# KiCad board rabbit_mask.kicad_pcb (continued)
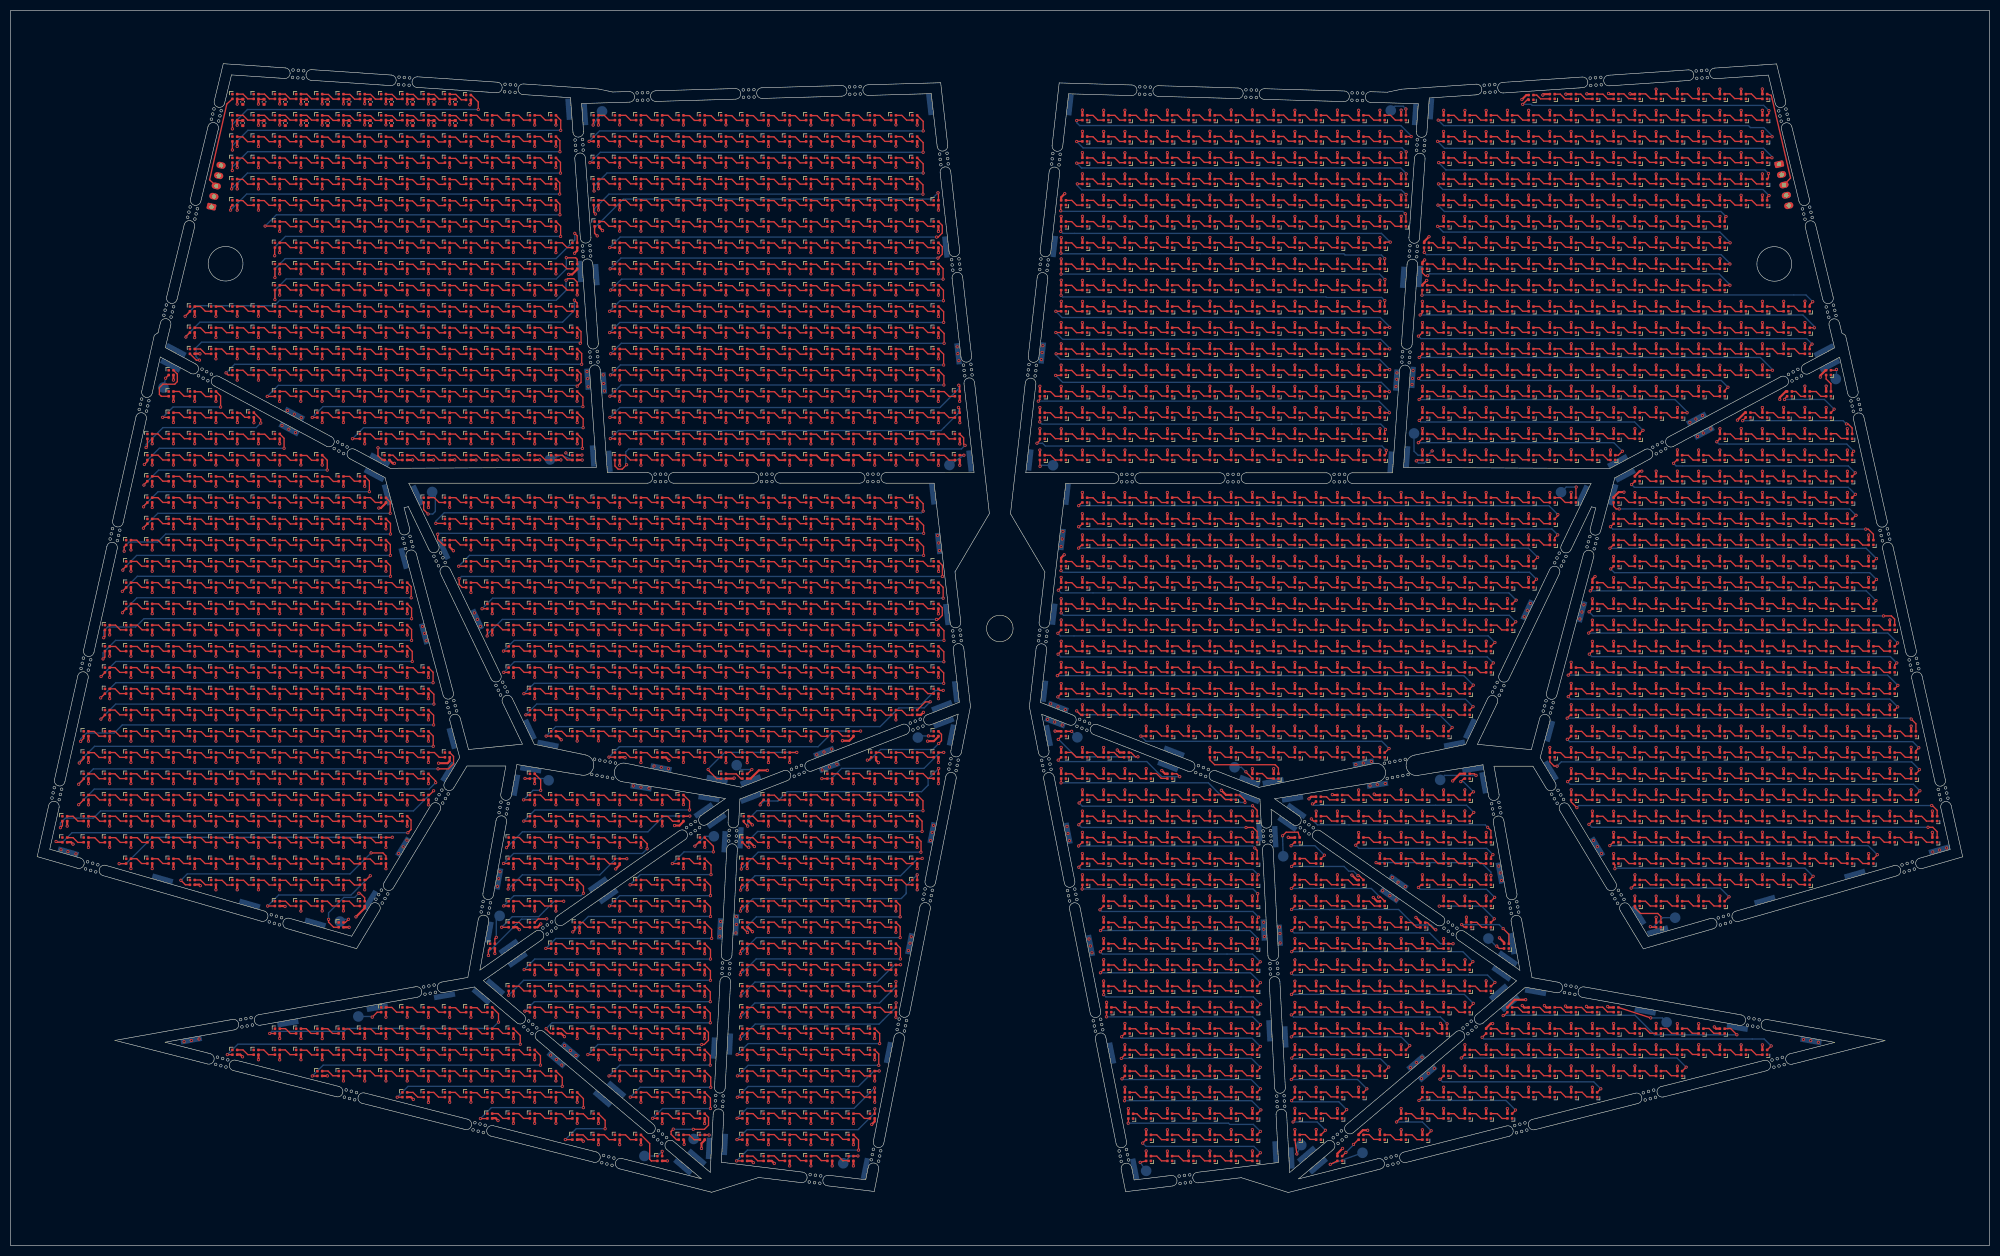
[diagram p0: board, top side]
## Placement (name value [footprint] x y rotation side) (continued)
D1483  SK6812-1515  [LED_SK6812_EC15_1.5x1.5mm]  154.2 16.36 0 top
D1484  SK6812-1515  [LED_SK6812_EC15_1.5x1.5mm]  158.2 16.36 0 top
D1485  SK6812-1515  [LED_SK6812_EC15_1.5x1.5mm]  286.2 216.19 180 top
D1486  SK6812-1515  [LED_SK6812_EC15_1.5x1.5mm]  290.2 216.36 180 top
D1487  SK6812-1515  [LED_SK6812_EC15_1.5x1.5mm]  294.2 216.36 180 top
D1488  SK6812-1515  [LED_SK6812_EC15_1.5x1.5mm]  298.2 216.36 180 top
D1489  SK6812-1515  [LED_SK6812_EC15_1.5x1.5mm]  302.2 216.36 180 top
D1490  SK6812-1515  [LED_SK6812_EC15_1.5x1.5mm]  306.2 216.36 180 top
D1491  SK6812-1515  [LED_SK6812_EC15_1.5x1.5mm]  310.2 216.36 180 top
D1492  SK6812-1515  [LED_SK6812_EC15_1.5x1.5mm]  314.2 216.36 180 top
D1493  SK6812-1515  [LED_SK6812_EC15_1.5x1.5mm]  318.2 216.36 180 top
D1494  SK6812-1515  [LED_SK6812_EC15_1.5x1.5mm]  322.2 216.36 180 top
D1495  SK6812-1515  [LED_SK6812_EC15_1.5x1.5mm]  326.2 216.36 180 top
D1496  SK6812-1515  [LED_SK6812_EC15_1.5x1.5mm]  330.2 216.36 180 top
D1497  SK6812-1515  [LED_SK6812_EC15_1.5x1.5mm]  202.2 212.36 180 top
D1498  SK6812-1515  [LED_SK6812_EC15_1.5x1.5mm]  206.2 212.36 180 top
D1499  SK6812-1515  [LED_SK6812_EC15_1.5x1.5mm]  210.2 212.36 180 top
D1500  SK6812-1515  [LED_SK6812_EC15_1.5x1.5mm]  214.2 212.36 180 top
D1501  SK6812-1515  [LED_SK6812_EC15_1.5x1.5mm]  218.2 212.36 180 top
D1502  SK6812-1515  [LED_SK6812_EC15_1.5x1.5mm]  222.2 212.36 180 top
D1503  SK6812-1515  [LED_SK6812_EC15_1.5x1.5mm]  226.2 212.36 180 top
D1504  SK6812-1515  [LED_SK6812_EC15_1.5x1.5mm]  230.2 212.36 180 top
D1505  SK6812-1515  [LED_SK6812_EC15_1.5x1.5mm]  234.2 212.36 180 top
D1506  SK6812-1515  [LED_SK6812_EC15_1.5x1.5mm]  238.2 212.36 180 top
D1507  SK6812-1515  [LED_SK6812_EC15_1.5x1.5mm]  242.2 212.36 180 top
D1508  SK6812-1515  [LED_SK6812_EC15_1.5x1.5mm]  246.2 212.36 180 top
D1509  SK6812-1515  [LED_SK6812_EC15_1.5x1.5mm]  250.2 212.36 180 top
D1510  SK6812-1515  [LED_SK6812_EC15_1.5x1.5mm]  254.2 212.36 180 top
D1511  SK6812-1515  [LED_SK6812_EC15_1.5x1.5mm]  258.2 212.36 180 top
D1512  SK6812-1515  [LED_SK6812_EC15_1.5x1.5mm]  262.2 212.36 180 top
D1513  SK6812-1515  [LED_SK6812_EC15_1.5x1.5mm]  270.2 212.36 180 top
D1514  SK6812-1515  [LED_SK6812_EC15_1.5x1.5mm]  274.2 212.36 180 top
D1515  SK6812-1515  [LED_SK6812_EC15_1.5x1.5mm]  278.2 212.36 180 top
D1516  SK6812-1515  [LED_SK6812_EC15_1.5x1.5mm]  282.2 212.36 180 top
D1517  SK6812-1515  [LED_SK6812_EC15_1.5x1.5mm]  286.2 212.36 180 top
D1518  SK6812-1515  [LED_SK6812_EC15_1.5x1.5mm]  290.2 212.36 180 top
D1519  SK6812-1515  [LED_SK6812_EC15_1.5x1.5mm]  294.2 212.36 180 top
D1520  SK6812-1515  [LED_SK6812_EC15_1.5x1.5mm]  298.2 212.36 180 top
D1521  SK6812-1515  [LED_SK6812_EC15_1.5x1.5mm]  302.2 212.36 180 top
D1522  SK6812-1515  [LED_SK6812_EC15_1.5x1.5mm]  306.2 212.36 180 top
D1523  SK6812-1515  [LED_SK6812_EC15_1.5x1.5mm]  310.2 212.36 180 top
D1524  SK6812-1515  [LED_SK6812_EC15_1.5x1.5mm]  314.2 212.36 180 top
D1525  SK6812-1515  [LED_SK6812_EC15_1.5x1.5mm]  318.2 212.36 180 top
D1526  SK6812-1515  [LED_SK6812_EC15_1.5x1.5mm]  322.2 212.36 180 top
D1527  SK6812-1515  [LED_SK6812_EC15_1.5x1.5mm]  326.2 212.36 180 top
D1528  SK6812-1515  [LED_SK6812_EC15_1.5x1.5mm]  330.2 212.36 180 top
D1529  SK6812-1515  [LED_SK6812_EC15_1.5x1.5mm]  202.2 208.36 180 top
D1530  SK6812-1515  [LED_SK6812_EC15_1.5x1.5mm]  206.2 208.36 180 top
D1531  SK6812-1515  [LED_SK6812_EC15_1.5x1.5mm]  210.2 208.36 180 top
D1532  SK6812-1515  [LED_SK6812_EC15_1.5x1.5mm]  214.2 208.36 180 top
D1533  SK6812-1515  [LED_SK6812_EC15_1.5x1.5mm]  218.2 208.36 180 top
D1534  SK6812-1515  [LED_SK6812_EC15_1.5x1.5mm]  222.2 208.36 180 top
D1535  SK6812-1515  [LED_SK6812_EC15_1.5x1.5mm]  226.2 208.36 180 top
D1536  SK6812-1515  [LED_SK6812_EC15_1.5x1.5mm]  230.2 208.36 180 top
D1537  SK6812-1515  [LED_SK6812_EC15_1.5x1.5mm]  234.2 208.36 180 top
D1538  SK6812-1515  [LED_SK6812_EC15_1.5x1.5mm]  238.2 208.36 180 top
D1539  SK6812-1515  [LED_SK6812_EC15_1.5x1.5mm]  242.2 208.36 180 top
D1540  SK6812-1515  [LED_SK6812_EC15_1.5x1.5mm]  246.2 208.36 180 top
D1541  SK6812-1515  [LED_SK6812_EC15_1.5x1.5mm]  250.2 208.36 180 top
D1542  SK6812-1515  [LED_SK6812_EC15_1.5x1.5mm]  254.2 208.36 180 top
D1543  SK6812-1515  [LED_SK6812_EC15_1.5x1.5mm]  258.2 208.36 180 top
D1544  SK6812-1515  [LED_SK6812_EC15_1.5x1.5mm]  262.2 208.36 180 top
D1545  SK6812-1515  [LED_SK6812_EC15_1.5x1.5mm]  270.2 208.36 180 top
D1546  SK6812-1515  [LED_SK6812_EC15_1.5x1.5mm]  274.2 208.36 180 top
D1547  SK6812-1515  [LED_SK6812_EC15_1.5x1.5mm]  278.2 208.36 180 top
D1548  SK6812-1515  [LED_SK6812_EC15_1.5x1.5mm]  282.2 208.36 180 top
D1549  SK6812-1515  [LED_SK6812_EC15_1.5x1.5mm]  286.2 208.36 180 top
D1550  SK6812-1515  [LED_SK6812_EC15_1.5x1.5mm]  290.2 208.36 180 top
D1551  SK6812-1515  [LED_SK6812_EC15_1.5x1.5mm]  294.2 208.36 180 top
D1552  SK6812-1515  [LED_SK6812_EC15_1.5x1.5mm]  298.2 208.36 180 top
D1553  SK6812-1515  [LED_SK6812_EC15_1.5x1.5mm]  302.2 208.36 180 top
D1554  SK6812-1515  [LED_SK6812_EC15_1.5x1.5mm]  306.2 208.36 180 top
D1555  SK6812-1515  [LED_SK6812_EC15_1.5x1.5mm]  310.2 208.36 180 top
D1556  SK6812-1515  [LED_SK6812_EC15_1.5x1.5mm]  314.2 208.36 180 top
D1557  SK6812-1515  [LED_SK6812_EC15_1.5x1.5mm]  318.2 208.36 180 top
D1558  SK6812-1515  [LED_SK6812_EC15_1.5x1.5mm]  322.2 208.36 180 top
D1559  SK6812-1515  [LED_SK6812_EC15_1.5x1.5mm]  326.2 208.36 180 top
D1560  SK6812-1515  [LED_SK6812_EC15_1.5x1.5mm]  330.2 208.36 180 top
D1561  SK6812-1515  [LED_SK6812_EC15_1.5x1.5mm]  202.2 204.36 180 top
D1562  SK6812-1515  [LED_SK6812_EC15_1.5x1.5mm]  206.2 204.36 180 top
D1563  SK6812-1515  [LED_SK6812_EC15_1.5x1.5mm]  210.2 204.36 180 top
D1564  SK6812-1515  [LED_SK6812_EC15_1.5x1.5mm]  214.2 204.36 180 top
D1565  SK6812-1515  [LED_SK6812_EC15_1.5x1.5mm]  218.2 204.36 180 top
D1566  SK6812-1515  [LED_SK6812_EC15_1.5x1.5mm]  222.2 204.36 180 top
D1567  SK6812-1515  [LED_SK6812_EC15_1.5x1.5mm]  226.2 204.36 180 top
D1568  SK6812-1515  [LED_SK6812_EC15_1.5x1.5mm]  230.2 204.36 180 top
D1569  SK6812-1515  [LED_SK6812_EC15_1.5x1.5mm]  234.2 204.36 180 top
D1570  SK6812-1515  [LED_SK6812_EC15_1.5x1.5mm]  238.2 204.36 180 top
D1571  SK6812-1515  [LED_SK6812_EC15_1.5x1.5mm]  242.2 204.36 180 top
D1572  SK6812-1515  [LED_SK6812_EC15_1.5x1.5mm]  246.2 204.36 180 top
D1573  SK6812-1515  [LED_SK6812_EC15_1.5x1.5mm]  250.2 204.36 180 top
D1574  SK6812-1515  [LED_SK6812_EC15_1.5x1.5mm]  254.2 204.36 180 top
D1575  SK6812-1515  [LED_SK6812_EC15_1.5x1.5mm]  258.2 204.36 180 top
D1576  SK6812-1515  [LED_SK6812_EC15_1.5x1.5mm]  262.2 204.36 180 top
D1577  SK6812-1515  [LED_SK6812_EC15_1.5x1.5mm]  270.2 204.36 180 top
D1578  SK6812-1515  [LED_SK6812_EC15_1.5x1.5mm]  274.2 204.36 180 top
D1579  SK6812-1515  [LED_SK6812_EC15_1.5x1.5mm]  278.2 204.36 180 top
D1580  SK6812-1515  [LED_SK6812_EC15_1.5x1.5mm]  282.2 204.36 180 top
D1581  SK6812-1515  [LED_SK6812_EC15_1.5x1.5mm]  286.2 204.36 180 top
D1582  SK6812-1515  [LED_SK6812_EC15_1.5x1.5mm]  290.2 204.36 180 top
D1583  SK6812-1515  [LED_SK6812_EC15_1.5x1.5mm]  294.2 204.36 180 top
D1584  SK6812-1515  [LED_SK6812_EC15_1.5x1.5mm]  298.2 204.36 180 top
D1585  SK6812-1515  [LED_SK6812_EC15_1.5x1.5mm]  302.2 204.36 180 top
D1586  SK6812-1515  [LED_SK6812_EC15_1.5x1.5mm]  306.2 204.36 180 top
D1587  SK6812-1515  [LED_SK6812_EC15_1.5x1.5mm]  310.2 204.36 180 top
D1588  SK6812-1515  [LED_SK6812_EC15_1.5x1.5mm]  314.2 204.36 180 top
D1589  SK6812-1515  [LED_SK6812_EC15_1.5x1.5mm]  318.2 204.36 180 top
D1590  SK6812-1515  [LED_SK6812_EC15_1.5x1.5mm]  322.2 204.36 180 top
D1591  SK6812-1515  [LED_SK6812_EC15_1.5x1.5mm]  326.2 204.36 180 top
D1592  SK6812-1515  [LED_SK6812_EC15_1.5x1.5mm]  330.2 204.36 180 top
D1593  SK6812-1515  [LED_SK6812_EC15_1.5x1.5mm]  202.2 200.36 180 top
D1594  SK6812-1515  [LED_SK6812_EC15_1.5x1.5mm]  206.2 200.36 180 top
D1595  SK6812-1515  [LED_SK6812_EC15_1.5x1.5mm]  210.2 200.36 180 top
D1596  SK6812-1515  [LED_SK6812_EC15_1.5x1.5mm]  214.2 200.36 180 top
D1597  SK6812-1515  [LED_SK6812_EC15_1.5x1.5mm]  218.2 200.36 180 top
D1598  SK6812-1515  [LED_SK6812_EC15_1.5x1.5mm]  222.2 200.36 180 top
D1599  SK6812-1515  [LED_SK6812_EC15_1.5x1.5mm]  226.2 200.36 180 top
D1600  SK6812-1515  [LED_SK6812_EC15_1.5x1.5mm]  230.2 200.36 180 top
D1601  SK6812-1515  [LED_SK6812_EC15_1.5x1.5mm]  234.2 200.36 180 top
D1602  SK6812-1515  [LED_SK6812_EC15_1.5x1.5mm]  238.2 200.36 180 top
D1603  SK6812-1515  [LED_SK6812_EC15_1.5x1.5mm]  242.2 200.36 180 top
D1604  SK6812-1515  [LED_SK6812_EC15_1.5x1.5mm]  246.2 200.36 180 top
D1605  SK6812-1515  [LED_SK6812_EC15_1.5x1.5mm]  250.2 200.36 180 top
D1606  SK6812-1515  [LED_SK6812_EC15_1.5x1.5mm]  254.2 200.36 180 top
D1607  SK6812-1515  [LED_SK6812_EC15_1.5x1.5mm]  258.2 200.36 180 top
D1608  SK6812-1515  [LED_SK6812_EC15_1.5x1.5mm]  262.2 200.36 180 top
D1609  SK6812-1515  [LED_SK6812_EC15_1.5x1.5mm]  270.2 200.36 180 top
D1610  SK6812-1515  [LED_SK6812_EC15_1.5x1.5mm]  274.2 200.36 180 top
D1611  SK6812-1515  [LED_SK6812_EC15_1.5x1.5mm]  278.2 200.36 180 top
D1612  SK6812-1515  [LED_SK6812_EC15_1.5x1.5mm]  282.2 200.36 180 top
D1613  SK6812-1515  [LED_SK6812_EC15_1.5x1.5mm]  286.2 200.36 180 top
D1614  SK6812-1515  [LED_SK6812_EC15_1.5x1.5mm]  290.2 200.36 180 top
D1615  SK6812-1515  [LED_SK6812_EC15_1.5x1.5mm]  294.2 200.36 180 top
D1616  SK6812-1515  [LED_SK6812_EC15_1.5x1.5mm]  298.2 200.36 180 top
D1617  SK6812-1515  [LED_SK6812_EC15_1.5x1.5mm]  302.2 200.36 180 top
D1618  SK6812-1515  [LED_SK6812_EC15_1.5x1.5mm]  306.2 200.36 180 top
D1619  SK6812-1515  [LED_SK6812_EC15_1.5x1.5mm]  310.2 200.36 180 top
D1620  SK6812-1515  [LED_SK6812_EC15_1.5x1.5mm]  314.2 200.36 180 top
D1621  SK6812-1515  [LED_SK6812_EC15_1.5x1.5mm]  318.2 200.36 180 top
D1622  SK6812-1515  [LED_SK6812_EC15_1.5x1.5mm]  322.2 200.36 180 top
D1623  SK6812-1515  [LED_SK6812_EC15_1.5x1.5mm]  326.2 200.36 180 top
D1624  SK6812-1515  [LED_SK6812_EC15_1.5x1.5mm]  330.2 200.36 180 top
D1625  SK6812-1515  [LED_SK6812_EC15_1.5x1.5mm]  266.2 148.36 180 bottom
D1626  SK6812-1515  [LED_SK6812_EC15_1.5x1.5mm]  198.2 196.36 180 top
D1627  SK6812-1515  [LED_SK6812_EC15_1.5x1.5mm]  202.2 196.36 180 top
D1628  SK6812-1515  [LED_SK6812_EC15_1.5x1.5mm]  206.2 196.36 180 top
D1629  SK6812-1515  [LED_SK6812_EC15_1.5x1.5mm]  210.2 196.36 180 top
D1630  SK6812-1515  [LED_SK6812_EC15_1.5x1.5mm]  214.2 196.36 180 top
D1631  SK6812-1515  [LED_SK6812_EC15_1.5x1.5mm]  218.2 196.36 180 top
D1632  SK6812-1515  [LED_SK6812_EC15_1.5x1.5mm]  222.2 196.36 180 top
D1633  SK6812-1515  [LED_SK6812_EC15_1.5x1.5mm]  226.2 196.36 180 top
D1634  SK6812-1515  [LED_SK6812_EC15_1.5x1.5mm]  230.2 196.36 180 top
D1635  SK6812-1515  [LED_SK6812_EC15_1.5x1.5mm]  234.2 196.36 180 top
D1636  SK6812-1515  [LED_SK6812_EC15_1.5x1.5mm]  238.2 196.36 180 top
D1637  SK6812-1515  [LED_SK6812_EC15_1.5x1.5mm]  242.2 196.36 180 top
D1638  SK6812-1515  [LED_SK6812_EC15_1.5x1.5mm]  246.2 196.36 180 top
D1639  SK6812-1515  [LED_SK6812_EC15_1.5x1.5mm]  250.2 196.36 180 top
D1640  SK6812-1515  [LED_SK6812_EC15_1.5x1.5mm]  254.2 196.36 180 top
D1641  SK6812-1515  [LED_SK6812_EC15_1.5x1.5mm]  258.2 196.36 180 top
D1642  SK6812-1515  [LED_SK6812_EC15_1.5x1.5mm]  262.2 196.36 180 top
D1643  SK6812-1515  [LED_SK6812_EC15_1.5x1.5mm]  270.2 196.36 180 top
D1644  SK6812-1515  [LED_SK6812_EC15_1.5x1.5mm]  274.2 196.36 180 top
D1645  SK6812-1515  [LED_SK6812_EC15_1.5x1.5mm]  278.2 196.36 180 top
D1646  SK6812-1515  [LED_SK6812_EC15_1.5x1.5mm]  282.2 196.36 180 top
D1647  SK6812-1515  [LED_SK6812_EC15_1.5x1.5mm]  286.2 196.36 180 top
D1648  SK6812-1515  [LED_SK6812_EC15_1.5x1.5mm]  290.2 196.36 180 top
D1649  SK6812-1515  [LED_SK6812_EC15_1.5x1.5mm]  294.2 196.36 180 top
D1650  SK6812-1515  [LED_SK6812_EC15_1.5x1.5mm]  298.2 196.36 180 top
D1651  SK6812-1515  [LED_SK6812_EC15_1.5x1.5mm]  302.2 196.36 180 top
D1652  SK6812-1515  [LED_SK6812_EC15_1.5x1.5mm]  306.2 196.36 180 top
D1653  SK6812-1515  [LED_SK6812_EC15_1.5x1.5mm]  310.2 196.36 180 top
D1654  SK6812-1515  [LED_SK6812_EC15_1.5x1.5mm]  314.2 196.36 180 top
D1655  SK6812-1515  [LED_SK6812_EC15_1.5x1.5mm]  318.2 196.36 180 top
D1656  SK6812-1515  [LED_SK6812_EC15_1.5x1.5mm]  322.2 196.36 180 top
D1657  SK6812-1515  [LED_SK6812_EC15_1.5x1.5mm]  326.2 196.36 180 top
D1658  SK6812-1515  [LED_SK6812_EC15_1.5x1.5mm]  330.2 196.36 180 top
D1659  SK6812-1515  [LED_SK6812_EC15_1.5x1.5mm]  106.2 148.36 270 bottom
D1660  SK6812-1515  [LED_SK6812_EC15_1.5x1.5mm]  198.2 192.36 180 top
D1661  SK6812-1515  [LED_SK6812_EC15_1.5x1.5mm]  202.2 192.36 180 top
D1662  SK6812-1515  [LED_SK6812_EC15_1.5x1.5mm]  206.2 192.36 180 top
D1663  SK6812-1515  [LED_SK6812_EC15_1.5x1.5mm]  210.2 192.36 180 top
D1664  SK6812-1515  [LED_SK6812_EC15_1.5x1.5mm]  214.2 192.36 180 top
D1665  SK6812-1515  [LED_SK6812_EC15_1.5x1.5mm]  218.2 192.36 180 top
D1666  SK6812-1515  [LED_SK6812_EC15_1.5x1.5mm]  222.2 192.36 180 top
D1667  SK6812-1515  [LED_SK6812_EC15_1.5x1.5mm]  226.2 192.36 180 top
D1668  SK6812-1515  [LED_SK6812_EC15_1.5x1.5mm]  230.2 192.36 180 top
D1669  SK6812-1515  [LED_SK6812_EC15_1.5x1.5mm]  234.2 192.36 180 top
D1670  SK6812-1515  [LED_SK6812_EC15_1.5x1.5mm]  238.2 192.36 180 top
D1671  SK6812-1515  [LED_SK6812_EC15_1.5x1.5mm]  242.2 192.36 180 top
D1672  SK6812-1515  [LED_SK6812_EC15_1.5x1.5mm]  246.2 192.36 180 top
D1673  SK6812-1515  [LED_SK6812_EC15_1.5x1.5mm]  250.2 192.36 180 top
D1674  SK6812-1515  [LED_SK6812_EC15_1.5x1.5mm]  254.2 192.36 180 top
D1675  SK6812-1515  [LED_SK6812_EC15_1.5x1.5mm]  258.2 192.36 180 top
D1676  SK6812-1515  [LED_SK6812_EC15_1.5x1.5mm]  262.2 192.36 180 top
D1677  SK6812-1515  [LED_SK6812_EC15_1.5x1.5mm]  270.2 192.36 180 top
D1678  SK6812-1515  [LED_SK6812_EC15_1.5x1.5mm]  274.2 192.36 180 top
D1679  SK6812-1515  [LED_SK6812_EC15_1.5x1.5mm]  278.2 192.36 180 top
D1680  SK6812-1515  [LED_SK6812_EC15_1.5x1.5mm]  282.2 192.36 180 top
D1681  SK6812-1515  [LED_SK6812_EC15_1.5x1.5mm]  286.2 192.36 180 top
D1682  SK6812-1515  [LED_SK6812_EC15_1.5x1.5mm]  290.2 192.36 180 top
D1683  SK6812-1515  [LED_SK6812_EC15_1.5x1.5mm]  294.2 192.36 180 top
D1684  SK6812-1515  [LED_SK6812_EC15_1.5x1.5mm]  298.2 192.36 180 top
D1685  SK6812-1515  [LED_SK6812_EC15_1.5x1.5mm]  302.2 192.36 180 top
D1686  SK6812-1515  [LED_SK6812_EC15_1.5x1.5mm]  306.2 192.36 180 top
D1687  SK6812-1515  [LED_SK6812_EC15_1.5x1.5mm]  310.2 192.36 180 top
D1688  SK6812-1515  [LED_SK6812_EC15_1.5x1.5mm]  314.2 192.36 180 top
D1689  SK6812-1515  [LED_SK6812_EC15_1.5x1.5mm]  318.2 192.36 180 top
D1690  SK6812-1515  [LED_SK6812_EC15_1.5x1.5mm]  322.2 192.36 180 top
D1694  SK6812-1515  [LED_SK6812_EC15_1.5x1.5mm]  198.2 188.36 180 top
D1695  SK6812-1515  [LED_SK6812_EC15_1.5x1.5mm]  202.2 188.36 180 top
D1696  SK6812-1515  [LED_SK6812_EC15_1.5x1.5mm]  206.2 188.36 180 top
D1697  SK6812-1515  [LED_SK6812_EC15_1.5x1.5mm]  210.2 188.36 180 top
D1698  SK6812-1515  [LED_SK6812_EC15_1.5x1.5mm]  214.2 188.36 180 top
D1699  SK6812-1515  [LED_SK6812_EC15_1.5x1.5mm]  218.2 188.36 180 top
D1700  SK6812-1515  [LED_SK6812_EC15_1.5x1.5mm]  222.2 188.36 180 top
D1701  SK6812-1515  [LED_SK6812_EC15_1.5x1.5mm]  226.2 188.36 180 top
D1702  SK6812-1515  [LED_SK6812_EC15_1.5x1.5mm]  230.2 188.36 180 top
D1703  SK6812-1515  [LED_SK6812_EC15_1.5x1.5mm]  234.2 188.36 180 top
D1704  SK6812-1515  [LED_SK6812_EC15_1.5x1.5mm]  238.2 188.36 180 top
D1705  SK6812-1515  [LED_SK6812_EC15_1.5x1.5mm]  242.2 188.36 180 top
D1706  SK6812-1515  [LED_SK6812_EC15_1.5x1.5mm]  246.2 188.36 180 top
D1707  SK6812-1515  [LED_SK6812_EC15_1.5x1.5mm]  250.2 188.36 180 top
D1708  SK6812-1515  [LED_SK6812_EC15_1.5x1.5mm]  254.2 188.36 180 top
D1709  SK6812-1515  [LED_SK6812_EC15_1.5x1.5mm]  258.2 188.36 180 top
D1710  SK6812-1515  [LED_SK6812_EC15_1.5x1.5mm]  266.52 188.36 180 top
D1711  SK6812-1515  [LED_SK6812_EC15_1.5x1.5mm]  270.2 188.36 180 top
D1712  SK6812-1515  [LED_SK6812_EC15_1.5x1.5mm]  274.2 188.36 180 top
D1713  SK6812-1515  [LED_SK6812_EC15_1.5x1.5mm]  278.2 188.36 180 top
D1714  SK6812-1515  [LED_SK6812_EC15_1.5x1.5mm]  282.2 188.36 180 top
D1715  SK6812-1515  [LED_SK6812_EC15_1.5x1.5mm]  286.2 188.36 180 top
D1716  SK6812-1515  [LED_SK6812_EC15_1.5x1.5mm]  290.2 188.36 180 top
D1717  SK6812-1515  [LED_SK6812_EC15_1.5x1.5mm]  294.2 188.36 180 top
D1718  SK6812-1515  [LED_SK6812_EC15_1.5x1.5mm]  298.2 188.36 180 top
D1719  SK6812-1515  [LED_SK6812_EC15_1.5x1.5mm]  302.2 188.36 180 top
D1720  SK6812-1515  [LED_SK6812_EC15_1.5x1.5mm]  306.2 188.36 180 top
D1721  SK6812-1515  [LED_SK6812_EC15_1.5x1.5mm]  310.2 188.36 180 top
D1722  SK6812-1515  [LED_SK6812_EC15_1.5x1.5mm]  314.2 188.36 180 top
D1723  SK6812-1515  [LED_SK6812_EC15_1.5x1.5mm]  318.2 188.36 180 top
D1724  SK6812-1515  [LED_SK6812_EC15_1.5x1.5mm]  322.2 188.36 180 top
D1725  SK6812-1515  [LED_SK6812_EC15_1.5x1.5mm]  198.2 184.36 180 top
D1726  SK6812-1515  [LED_SK6812_EC15_1.5x1.5mm]  202.2 184.36 180 top
D1727  SK6812-1515  [LED_SK6812_EC15_1.5x1.5mm]  206.2 184.36 180 top
D1728  SK6812-1515  [LED_SK6812_EC15_1.5x1.5mm]  210.2 184.36 180 top
D1729  SK6812-1515  [LED_SK6812_EC15_1.5x1.5mm]  214.2 184.36 180 top
D1730  SK6812-1515  [LED_SK6812_EC15_1.5x1.5mm]  218.2 184.36 180 top
D1731  SK6812-1515  [LED_SK6812_EC15_1.5x1.5mm]  222.2 184.36 180 top
D1732  SK6812-1515  [LED_SK6812_EC15_1.5x1.5mm]  226.2 184.36 180 top
D1733  SK6812-1515  [LED_SK6812_EC15_1.5x1.5mm]  230.2 184.36 180 top
D1734  SK6812-1515  [LED_SK6812_EC15_1.5x1.5mm]  234.2 184.36 180 top
D1735  SK6812-1515  [LED_SK6812_EC15_1.5x1.5mm]  238.2 184.36 180 top
D1736  SK6812-1515  [LED_SK6812_EC15_1.5x1.5mm]  242.2 184.36 180 top
D1737  SK6812-1515  [LED_SK6812_EC15_1.5x1.5mm]  246.2 184.36 180 top
D1738  SK6812-1515  [LED_SK6812_EC15_1.5x1.5mm]  250.2 184.36 180 top
D1739  SK6812-1515  [LED_SK6812_EC15_1.5x1.5mm]  254.2 184.36 180 top
D1740  SK6812-1515  [LED_SK6812_EC15_1.5x1.5mm]  258.2 184.36 180 top
D1741  SK6812-1515  [LED_SK6812_EC15_1.5x1.5mm]  266.2 184.36 180 top
D1742  SK6812-1515  [LED_SK6812_EC15_1.5x1.5mm]  270.2 184.36 180 top
D1743  SK6812-1515  [LED_SK6812_EC15_1.5x1.5mm]  274.2 184.36 180 top
D1744  SK6812-1515  [LED_SK6812_EC15_1.5x1.5mm]  278.2 184.36 180 top
D1745  SK6812-1515  [LED_SK6812_EC15_1.5x1.5mm]  282.2 184.36 180 top
D1746  SK6812-1515  [LED_SK6812_EC15_1.5x1.5mm]  286.2 184.36 180 top
D1747  SK6812-1515  [LED_SK6812_EC15_1.5x1.5mm]  290.2 184.36 180 top
D1748  SK6812-1515  [LED_SK6812_EC15_1.5x1.5mm]  294.2 184.36 180 top
D1749  SK6812-1515  [LED_SK6812_EC15_1.5x1.5mm]  298.2 184.36 180 top
D1750  SK6812-1515  [LED_SK6812_EC15_1.5x1.5mm]  302.2 184.36 180 top
D1751  SK6812-1515  [LED_SK6812_EC15_1.5x1.5mm]  306.2 184.36 180 top
D1752  SK6812-1515  [LED_SK6812_EC15_1.5x1.5mm]  310.2 184.36 180 top
D1753  SK6812-1515  [LED_SK6812_EC15_1.5x1.5mm]  314.2 184.36 180 top
D1754  SK6812-1515  [LED_SK6812_EC15_1.5x1.5mm]  318.2 184.36 180 top
D1755  SK6812-1515  [LED_SK6812_EC15_1.5x1.5mm]  322.2 184.36 180 top
D1756  SK6812-1515  [LED_SK6812_EC15_1.5x1.5mm]  198.2 180.36 180 top
D1757  SK6812-1515  [LED_SK6812_EC15_1.5x1.5mm]  202.2 180.36 180 top
D1758  SK6812-1515  [LED_SK6812_EC15_1.5x1.5mm]  206.2 180.36 180 top
D1759  SK6812-1515  [LED_SK6812_EC15_1.5x1.5mm]  210.2 180.36 180 top
D1760  SK6812-1515  [LED_SK6812_EC15_1.5x1.5mm]  214.2 180.36 180 top
D1761  SK6812-1515  [LED_SK6812_EC15_1.5x1.5mm]  218.2 180.36 180 top
D1762  SK6812-1515  [LED_SK6812_EC15_1.5x1.5mm]  222.2 180.36 180 top
D1763  SK6812-1515  [LED_SK6812_EC15_1.5x1.5mm]  226.2 180.36 180 top
D1764  SK6812-1515  [LED_SK6812_EC15_1.5x1.5mm]  230.2 180.36 180 top
D1765  SK6812-1515  [LED_SK6812_EC15_1.5x1.5mm]  234.2 180.36 180 top
D1766  SK6812-1515  [LED_SK6812_EC15_1.5x1.5mm]  238.2 180.36 180 top
D1767  SK6812-1515  [LED_SK6812_EC15_1.5x1.5mm]  242.2 180.36 180 top
D1768  SK6812-1515  [LED_SK6812_EC15_1.5x1.5mm]  246.2 180.36 180 top
D1769  SK6812-1515  [LED_SK6812_EC15_1.5x1.5mm]  250.2 180.36 180 top
D1770  SK6812-1515  [LED_SK6812_EC15_1.5x1.5mm]  254.2 180.36 180 top
D1771  SK6812-1515  [LED_SK6812_EC15_1.5x1.5mm]  258.2 180.36 180 top
D1772  SK6812-1515  [LED_SK6812_EC15_1.5x1.5mm]  266.2 180.36 180 top
D1773  SK6812-1515  [LED_SK6812_EC15_1.5x1.5mm]  270.2 180.36 180 top
D1774  SK6812-1515  [LED_SK6812_EC15_1.5x1.5mm]  274.2 180.36 180 top
D1775  SK6812-1515  [LED_SK6812_EC15_1.5x1.5mm]  278.2 180.36 180 top
D1776  SK6812-1515  [LED_SK6812_EC15_1.5x1.5mm]  282.2 180.36 180 top
D1777  SK6812-1515  [LED_SK6812_EC15_1.5x1.5mm]  286.2 180.36 180 top
D1778  SK6812-1515  [LED_SK6812_EC15_1.5x1.5mm]  290.2 180.36 180 top
D1779  SK6812-1515  [LED_SK6812_EC15_1.5x1.5mm]  294.2 180.36 180 top
D1780  SK6812-1515  [LED_SK6812_EC15_1.5x1.5mm]  298.2 180.36 180 top
D1781  SK6812-1515  [LED_SK6812_EC15_1.5x1.5mm]  302.2 180.36 180 top
D1782  SK6812-1515  [LED_SK6812_EC15_1.5x1.5mm]  306.2 180.36 180 top
D1783  SK6812-1515  [LED_SK6812_EC15_1.5x1.5mm]  310.2 180.36 180 top
D1784  SK6812-1515  [LED_SK6812_EC15_1.5x1.5mm]  314.2 180.36 180 top
D1785  SK6812-1515  [LED_SK6812_EC15_1.5x1.5mm]  318.2 180.36 180 top
D1786  SK6812-1515  [LED_SK6812_EC15_1.5x1.5mm]  322.2 180.36 180 top
D1787  SK6812-1515  [LED_SK6812_EC15_1.5x1.5mm]  198.2 176.36 180 top
D1788  SK6812-1515  [LED_SK6812_EC15_1.5x1.5mm]  202.2 176.36 180 top
D1789  SK6812-1515  [LED_SK6812_EC15_1.5x1.5mm]  206.2 176.36 180 top
D1790  SK6812-1515  [LED_SK6812_EC15_1.5x1.5mm]  210.2 176.36 180 top
D1791  SK6812-1515  [LED_SK6812_EC15_1.5x1.5mm]  214.2 176.36 180 top
D1792  SK6812-1515  [LED_SK6812_EC15_1.5x1.5mm]  218.2 176.36 180 top
D1793  SK6812-1515  [LED_SK6812_EC15_1.5x1.5mm]  222.2 176.36 180 top
D1794  SK6812-1515  [LED_SK6812_EC15_1.5x1.5mm]  226.2 176.36 180 top
D1795  SK6812-1515  [LED_SK6812_EC15_1.5x1.5mm]  230.2 176.36 180 top
D1796  SK6812-1515  [LED_SK6812_EC15_1.5x1.5mm]  234.2 176.36 180 top
D1797  SK6812-1515  [LED_SK6812_EC15_1.5x1.5mm]  238.2 176.36 180 top
D1798  SK6812-1515  [LED_SK6812_EC15_1.5x1.5mm]  242.2 176.36 180 top
D1799  SK6812-1515  [LED_SK6812_EC15_1.5x1.5mm]  246.2 176.36 180 top
D1800  SK6812-1515  [LED_SK6812_EC15_1.5x1.5mm]  250.2 176.36 180 top
D1801  SK6812-1515  [LED_SK6812_EC15_1.5x1.5mm]  254.2 176.36 180 top
D1802  SK6812-1515  [LED_SK6812_EC15_1.5x1.5mm]  258.2 176.36 180 top
D1803  SK6812-1515  [LED_SK6812_EC15_1.5x1.5mm]  266.2 176.36 180 top
D1804  SK6812-1515  [LED_SK6812_EC15_1.5x1.5mm]  270.2 176.36 180 top
D1805  SK6812-1515  [LED_SK6812_EC15_1.5x1.5mm]  274.2 176.36 180 top
D1806  SK6812-1515  [LED_SK6812_EC15_1.5x1.5mm]  278.2 176.36 180 top
D1807  SK6812-1515  [LED_SK6812_EC15_1.5x1.5mm]  282.2 176.36 180 top
D1808  SK6812-1515  [LED_SK6812_EC15_1.5x1.5mm]  286.2 176.36 180 top
D1809  SK6812-1515  [LED_SK6812_EC15_1.5x1.5mm]  290.2 176.36 180 top
D1810  SK6812-1515  [LED_SK6812_EC15_1.5x1.5mm]  294.2 176.36 180 top
D1811  SK6812-1515  [LED_SK6812_EC15_1.5x1.5mm]  298.2 176.36 180 top
D1812  SK6812-1515  [LED_SK6812_EC15_1.5x1.5mm]  302.2 176.36 180 top
D1813  SK6812-1515  [LED_SK6812_EC15_1.5x1.5mm]  306.2 176.36 180 top
D1814  SK6812-1515  [LED_SK6812_EC15_1.5x1.5mm]  310.2 176.36 180 top
D1815  SK6812-1515  [LED_SK6812_EC15_1.5x1.5mm]  314.2 176.36 180 top
D1816  SK6812-1515  [LED_SK6812_EC15_1.5x1.5mm]  318.2 176.36 180 top
D1817  SK6812-1515  [LED_SK6812_EC15_1.5x1.5mm]  322.2 176.36 180 top
D1818  SK6812-1515  [LED_SK6812_EC15_1.5x1.5mm]  326.2 176.36 180 top
D1819  SK6812-1515  [LED_SK6812_EC15_1.5x1.5mm]  330.2 176.36 180 top
D1820  SK6812-1515  [LED_SK6812_EC15_1.5x1.5mm]  334.2 176.36 180 top
D1821  SK6812-1515  [LED_SK6812_EC15_1.5x1.5mm]  338.2 176.36 180 top
D1822  SK6812-1515  [LED_SK6812_EC15_1.5x1.5mm]  198.2 172.36 180 top
D1823  SK6812-1515  [LED_SK6812_EC15_1.5x1.5mm]  202.2 172.36 180 top
D1824  SK6812-1515  [LED_SK6812_EC15_1.5x1.5mm]  206.2 172.36 180 top
D1825  SK6812-1515  [LED_SK6812_EC15_1.5x1.5mm]  210.2 172.36 180 top
D1826  SK6812-1515  [LED_SK6812_EC15_1.5x1.5mm]  214.2 172.36 180 top
D1827  SK6812-1515  [LED_SK6812_EC15_1.5x1.5mm]  218.2 172.36 180 top
D1828  SK6812-1515  [LED_SK6812_EC15_1.5x1.5mm]  222.2 172.36 180 top
D1829  SK6812-1515  [LED_SK6812_EC15_1.5x1.5mm]  226.2 172.36 180 top
D1830  SK6812-1515  [LED_SK6812_EC15_1.5x1.5mm]  230.2 172.36 180 top
D1831  SK6812-1515  [LED_SK6812_EC15_1.5x1.5mm]  234.2 172.36 180 top
D1832  SK6812-1515  [LED_SK6812_EC15_1.5x1.5mm]  238.2 172.36 180 top
D1833  SK6812-1515  [LED_SK6812_EC15_1.5x1.5mm]  242.2 172.36 180 top
D1834  SK6812-1515  [LED_SK6812_EC15_1.5x1.5mm]  246.2 172.36 180 top
D1835  SK6812-1515  [LED_SK6812_EC15_1.5x1.5mm]  250.2 172.36 180 top
D1836  SK6812-1515  [LED_SK6812_EC15_1.5x1.5mm]  254.2 172.36 180 top
D1837  SK6812-1515  [LED_SK6812_EC15_1.5x1.5mm]  258.2 172.36 180 top
D1838  SK6812-1515  [LED_SK6812_EC15_1.5x1.5mm]  266.2 172.36 180 top
D1839  SK6812-1515  [LED_SK6812_EC15_1.5x1.5mm]  270.2 172.36 180 top
D1840  SK6812-1515  [LED_SK6812_EC15_1.5x1.5mm]  274.2 172.36 180 top
D1841  SK6812-1515  [LED_SK6812_EC15_1.5x1.5mm]  278.2 172.36 180 top